# Altium PCB 官方方案V1.PcbDoc
Units mil, origin at the board's own origin, x right, y up, seen from the top; angles counter-clockwise.
Board outline 6000 x 4000 mil, 2 copper layers (Top Layer, Bottom Layer); 9 components, 5 nets, 19 pads, 1 vias.
Unrouted connection lines stored in the file: 13.
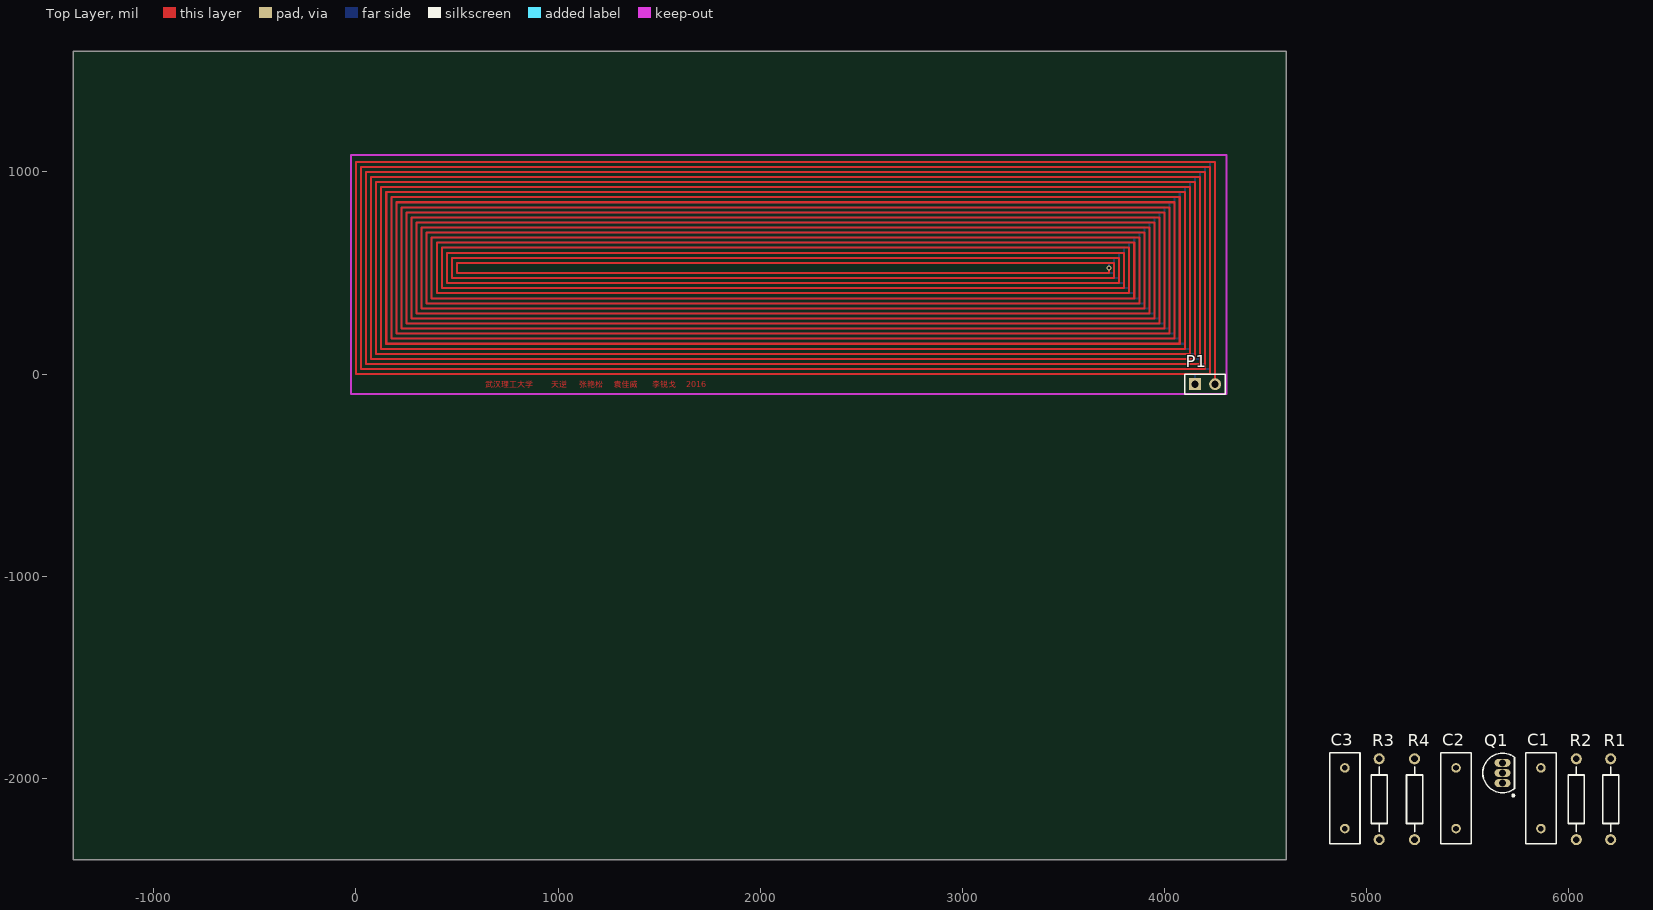
[diagram p0: Top Layer view]
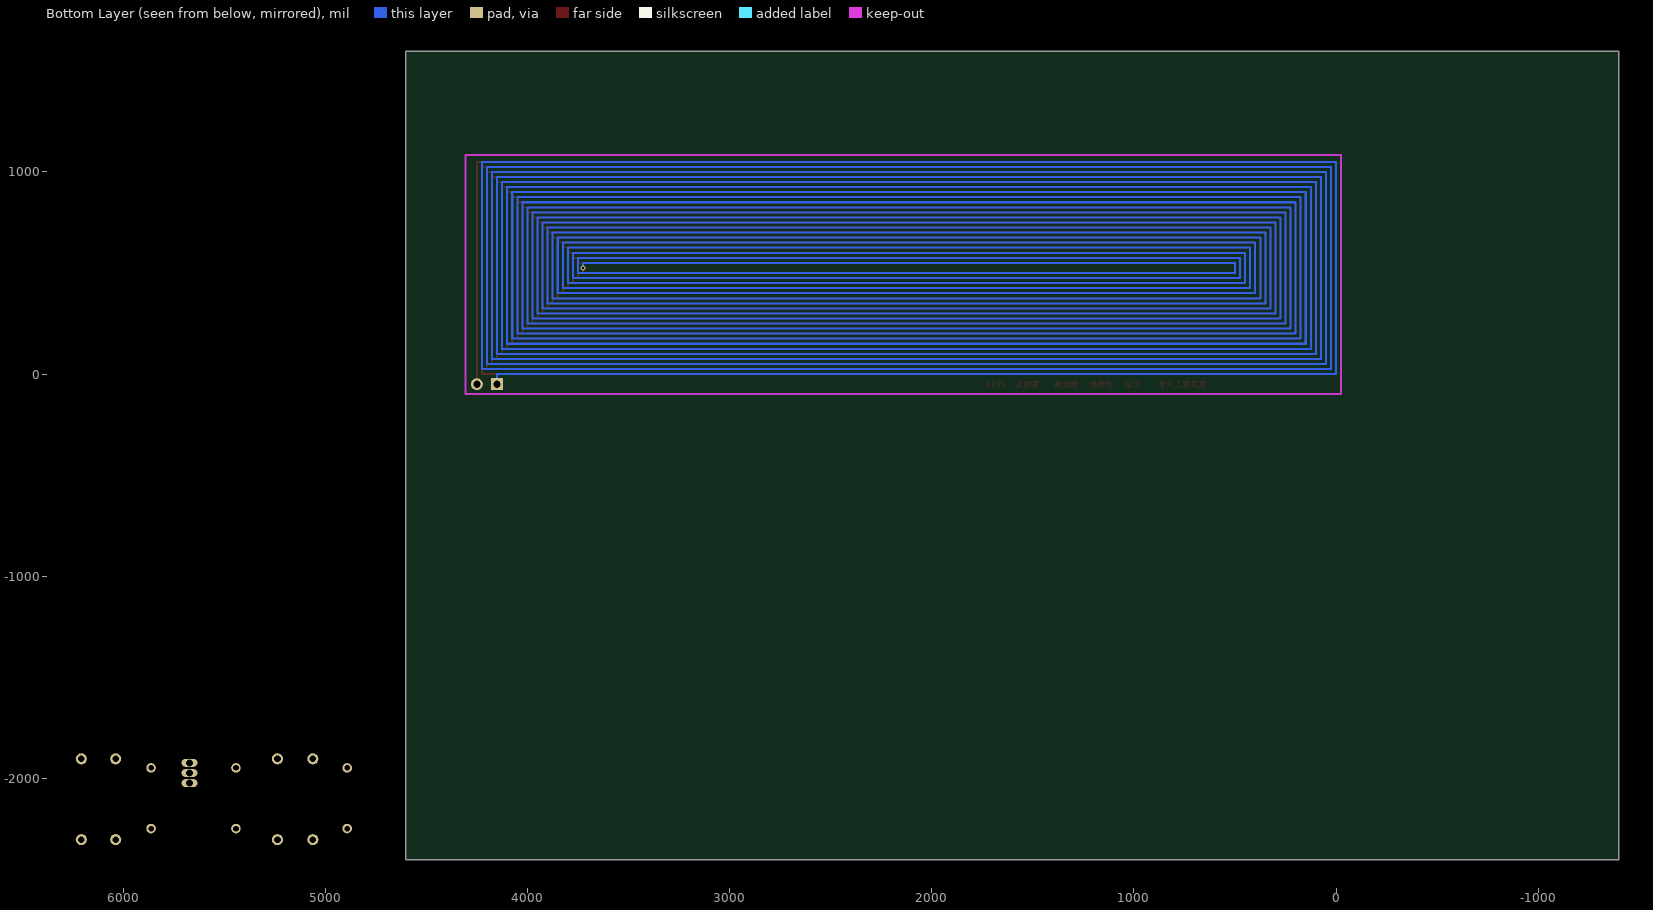
[diagram p1: Bottom Layer view, seen from below]

## Layer stack, top to bottom
Top Layer: signal copper 1.4
Dielectric: dielectric 12.6, FR-4, Dk 4.8
Bottom Layer: signal copper 1.4

## Board outline
-1398.33,-2403 4601.67,-2403 4601.67,1597 -1398.33,1597

## Design rules (kind name [scope] priority, off if disabled: settings)
Clearance [All] p1: gap=15
PolygonConnect [All] p1: connectstyle=Relief reliefconductorwidth=10 reliefentries=4 polygonreliefangle="90 Angle" airgapwidth=10
RoutingVias [All] p1: holewidth=28 width=50 viastyle="Through Hole" minholewidth=28 minwidth=50 maxholewidth=28 maxwidth=50
SolderMaskExpansion [All] p1: expansion=4
Width [All] p1: maxlimit=50 minlimit=10 preferedwidth=20 minimp=50.000000 maximp=50.000000 favimp=50.000000
28 further rules are at their usual default settings.

## Components (designator, comment, footprint, x,y, rotation, side; value= is the part's Value field where it differs from the comment)
C1 "Cap" RAD-0.3 5861.67,-2098 r90 top
C2 "Cap" RAD-0.3 5441.67,-2098 r90 top
C3 "Cap" RAD-0.3 4891.67,-2098 r90 top
P1 "Header 2" HDR1X2 4150,-50 r0 top
Q1 "s8550_1" TO-92A 5671.67,-1973 r0 top
R1 "Res2" AXIAL-0.4 6206.67,-2103 r90 top
R2 "Res2" AXIAL-0.4 6036.67,-2103 r90 top
R3 "Res2" AXIAL-0.4 5061.67,-2103 r90 top
R4 "Res2" AXIAL-0.4 5236.67,-2103 r90 top

## Footprints (in the part's own frame and the unit in brackets; to place one, negate y for a bottom-side part, rotate by r counter-clockwise, add the part's x,y. Pads: shape width x height; smd on the part's side, far side on the other; paste and mask are expansions set on the pad)
AXIAL-0.4 [mm] "Axial Device, Thru-Hole; 2 Leads; 0.4 in Pin Spacing"
  round 1.4 hole 0.85: 1(-5.08,0) 2(5.08,0)
  silkscreen extent -4.06,-1.02 4.06,1.02
HDR1X2 [mm] "Connector; Header; 2 Position"
  rect 1.5x1.5 hole 0.9: 1(0,0)
  round 1.5 hole 0.9: 2(2.54,0)
  silkscreen extent -1.27,-1.27 3.81,1.27
RAD-0.3 [mm] "Radial Cap, Thru-Hole; 2 Leads; 0.3 in Pin Spacing"
  round 1.2 hole 0.7: 1(-3.81,0) 2(3.81,0)
  silkscreen extent -5.71,-1.91 5.71,1.91
TO-92A [mm] "TO, Flat Index; 3 In-Line, Axial Leads; Body Dia. 4.5mm; Leads 0.51 x 0.48 mm (max)"
  oval 2x1 hole 0.9: 1(0,-1.27) 2(0,0) 3(0,1.27)
  silkscreen extent -2.48,-2.95 1.5,2.48, body extent -2.5,-2.5 1.5,2.5, height 6.86

## Part data
C1 C2 C3: "Capacitor"
P1: "Header, 2-Pin"
Q1: library part 2N3906, "PNP General Purpose Amplifier"
R1 R2 R3 R4: "Resistor"

## Via types
v1: diameter 25, hole 15, Top Layer to Bottom Layer, 1 vias

## Nets (pads, with @x,y where several pads share a name; then routed paths per layer and width w, separated by ;. In a path a pad name is that pad's centre, name@x,y a point inside that pad or via, vN(x,y) a via of type N, cw(c..) or ccw(c..) an arc to the next point about the centre after c; other vN are vias at no path point)
5V: R1.2 R2.2
GND: C1.2 C3.1 P1.2 R3.1
NetC1_1: C1.1 C2.2 Q1.1 R1.1
NetC2_1: C2.1 P1.1 Q1.3 R4.2
NetC3_2: C3.2 Q1.2 R2.1 R3.2
pads on no net: R4.1
copper on no net: | length 364326
  Top Layer w10: 130,50 50,50 ; 166,25 25,25 ; 200,75 75,75 ; 225,100 100,100 ; 290,125 125,125 ; 350,150 150,150 ; 500,175 175,175 ; 560,200 200,200 ; 575,225 225,225 ; 700,250 250,250 ; 850,275 275,275 ; 900,300 300,300 ; 1000,325 325,325 ; v1(3725,525) 3725,500 500,500 500,550 3750,550 3750,475 475,475 475,575 3775,575 3775,450 450,450 450,600 3800,600 3800,425 425,425 425,625 3825,625 3825,400 400,400 400,650 3850,650 3850,375 375,375 375,675 3875,675 3875,350 350,350 350,700 3900,700 3900,325 325,325 ; 4250,-50 4250,1050 0,1050 0,0 4064,0 4204,0 4225,0 4225,1025 25,1025 25,25 ; 25,25 4200,25 4200,1000 50,1000 50,50 ; 50,50 4175,50 4175,975 75,975 75,75 ; 75,75 4150,75 4150,950 100,950 100,100 ; 100,100 4125,100 4125,925 125,925 125,125 ; 125,125 4100,125 4100,900 150,900 150,150 ; 150,150 4075,150 4075,875 175,875 175,175 ; 175,175 4050,175 4050,850 200,850 200,200 ; 200,200 4025,200 4025,825 225,825 225,225 ; 225,225 4000,225 4000,800 250,800 250,250 ; 250,250 3975,250 3975,775 275,775 275,275 ; 275,275 3950,275 3950,750 300,750 300,300 ; 300,300 3925,300 3925,725 325,725 325,325
  Bottom Layer w10: v1(3725,525) 3725,550 500,550 500,500 3750,500 3750,575 475,575 475,475 3775,475 3775,600 450,600 450,450 3800,450 3800,545 3800,625 425,625 425,425 3825,425 3825,650 400,650 400,400 3850,400 3850,675 375,675 375,375 3875,375 3875,700 350,700 350,350 3900,350 3900,725 325,725 325,325 3925,325 3925,750 300,750 300,300 3950,300 3950,775 275,775 275,275 3975,275 3975,800 250,800 250,250 4000,250 4000,825 225,825 225,225 4025,225 4025,850 200,850 200,200 4050,200 4050,875 175,875 175,175 4075,175 4075,900 150,900 150,150 4100,150 4100,925 125,925 125,125 4125,125 4125,950 100,950 100,100 4150,100 4150,975 75,975 75,75 4175,75 4175,1000 50,1000 50,50 4200,50 4200,1025 25,1025 25,25 4225,25 4225,1050 0,1050 0,0 4150,0 4150,-55

## Keep-outs
Keep-Out Layer:
  lines w10: -23.33,-98 4307.38,-98 4307.38,1083.1 -23.33,1083.1 -23.33,-98

## Other copper
Top Layer:
  text "武汉理工大学" at 640,-75 h50
  text "天逆" at 965,-75 h50
  text "张艳松" at 1105,-75 h50
  text "袁佳威" at 1275,-75 h50
  text "李锐戈" at 1465,-75 h50
  text "2016" at 1635,-75 h50

## Silkscreen, mask and mechanical layers (free items; w line width, h text height)
Mechanical 15:
  lines w10: -23.33,-98 4307.38,1083.1 ; -23.33,1083.1 4307.38,-98